# KiCad board LOKUM_PC_ALLWINNER-A64.kicad_pcb (continued)
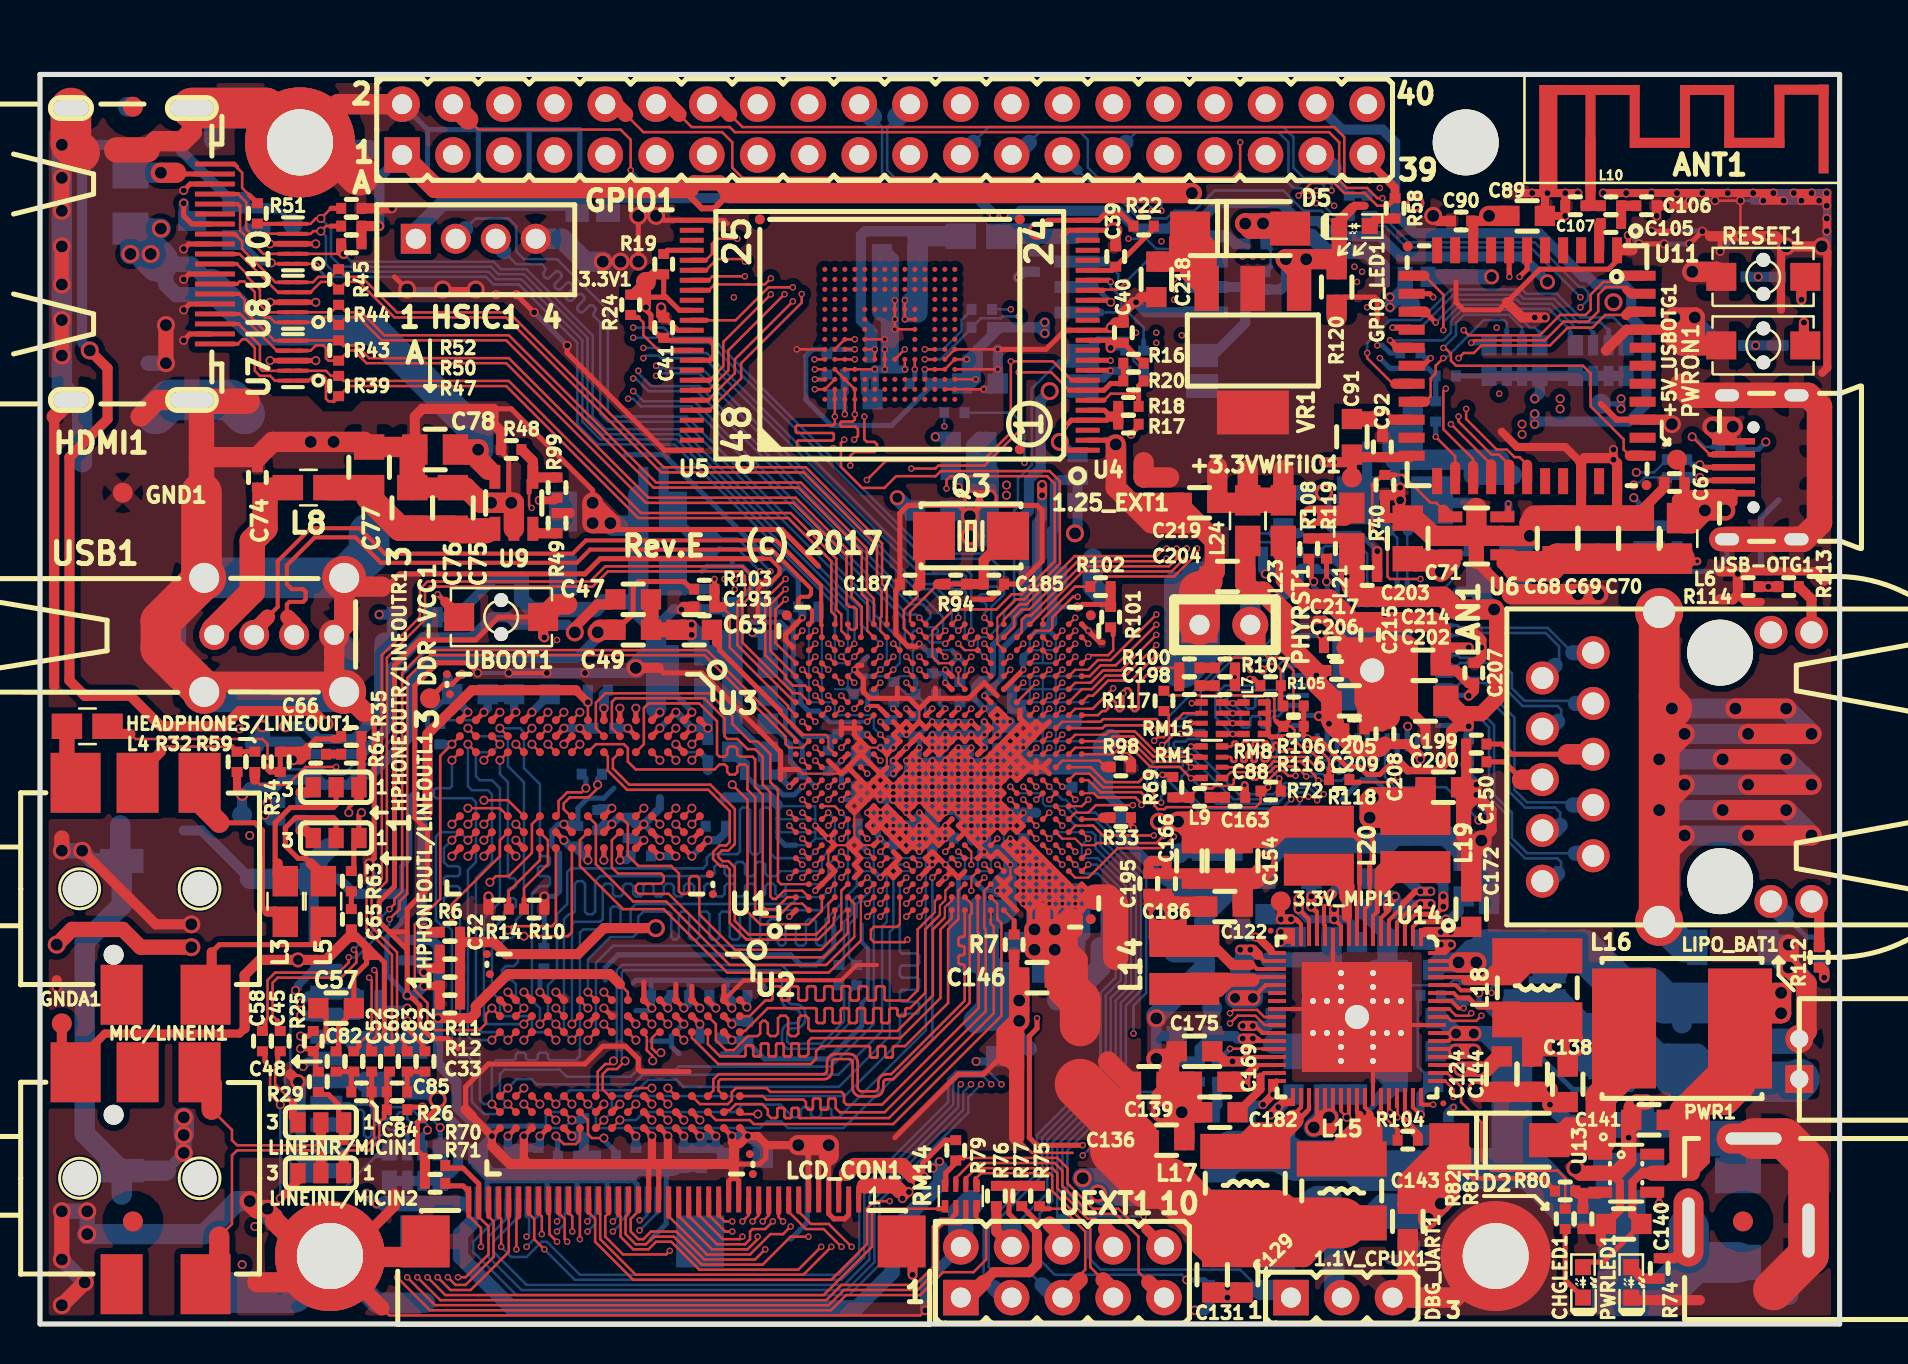
[diagram p0: board, top side]
## Routing (per net, layer and track width the routed paths; a pad name or vN(x,y) marks a point on that pad's centre or on a via; arc(x,y) is an arc through that point) (continued)
/USB&HDMI,WiFi&BT,Ethernet,LCD/BT-PCM-DIN: length 31.3
  Top w0.127: 73.47,42.98 72.96,43.48 72.59,43.48 70.94,45.14 v5(70.94,45.39) ; U1.AC19 52.49,32.4 53.03,32.94 53.8,32.94 v5(55.83,34.98)
  Top w0.508: 73.47,42.86 73.47,42.98 U11.27
  In3.Cu w0.127: v5(70.94,45.39) 69.93,45.39 69.04,46.28 66.12,46.28 60.02,40.18 60.02,39.29 60.02,37.77 58.88,36.63 56.97,36.63 56.21,35.86 56.21,35.36 v5(55.83,34.98)
/USB&HDMI,WiFi&BT,Ethernet,LCD/BT-PCM-DOUT: length 35.2
  Top w0.127: v5(70.31,46.79) 70.18,46.66 70.18,44.76 71.67,43.26 71.67,42.93 ; v5(56.34,38.28) 56.21,38.15 51.89,38.15 49.48,35.74 49.1,35.74 48.72,35.36 48.72,34.87 U1.U22
  Top w0.508: U11.25 71.67,42.93
  In3.Cu w0.127: v5(56.34,38.28) 56.97,37.64 58.37,37.64 59,38.28 59,40.69 65.61,47.3 69.8,47.3 v5(70.31,46.79)
/USB&HDMI,WiFi&BT,Ethernet,LCD/BT-PCM-SYNC: length 33
  Top w0.107: 51.78,32.72 52.43,32.72
  Top w0.127: v5(71.32,45.77) 71.32,45.26 72.85,43.74 73.35,43.74 73.74,43.36 73.99,43.36 74.37,42.98 ; v5(55.83,35.48) 53.55,33.21 52.91,33.21 52.43,32.72 ; 51.78,32.72 U1.AB19
  Top w0.508: U11.28 74.37,42.98
  In3.Cu w0.127: v5(71.32,45.77) 69.93,45.77 69.16,46.53 65.95,46.53 59.77,40.35 59.77,39.42 59.77,37.9 58.75,36.88 56.84,36.88 55.83,35.86 v5(55.83,35.48)
/USB&HDMI,WiFi&BT,Ethernet,LCD/BT-RST-N: length 64.5
  Top w0.127: v5(37.29,36.25) 36.78,35.74 36.78,34.07 U1.A20 ; 79.51,43.43 79.2,43.74 79.2,44.25 77.55,45.9 77.55,47.55 77.16,47.93 70.81,47.93 70.56,48.18 70.56,48.53 70.28,48.81 v5(70.18,48.82)
  Top w0.508: U11.34 79.51,43.43
  In2.Cu w0.127: 49.61,46.8 49.61,46.8 ; 49.61,46.8 48.64,45.83 43.49,45.83 41.52,43.86 41.52,43.83 40.96,43.27 40.26,43.27 39.2,42.21 39.2,38.16 v5(37.29,36.25) ; 49.61,46.8 50.09,47.28 51.02,47.28 51.51,46.79 54.56,46.79 55.45,47.68 68.15,47.68 69.29,48.82 v5(70.18,48.82)
  Bottom w0.127: 74.12,49.58 74.12,49.84 73.48,50.47 71.2,50.47 70.81,50.09 70.81,49.45 v5(70.18,48.82)
  Bottom w0.254: RM12.2.2 74.12,49.58
/USB&HDMI,WiFi&BT,Ethernet,LCD/BT-UART-CTS: length 43.8
  Top w0.127: v5(71.2,49.71) 71.45,49.45 75.01,49.45 76.02,50.47 77.29,50.47 77.55,50.72 77.55,51.49 78.18,52.12 78.89,52.12 79.2,52.43 ; U1.AC17 52.43,31.42 52.66,31.42 53.42,32.18 54.56,32.18 v5(55.83,33.45)
  Top w0.508: U11.44 79.2,52.43 79.27,52.43
  In3.Cu w0.127: v5(55.83,33.45) 55.19,34.09 55.19,36.12 56.46,37.39 58.5,37.39 59.26,38.15 59.26,39.67 59.26,40.56 65.74,47.04 69.42,47.04 70.05,46.41 70.69,46.41 71.32,47.04 71.32,48.56 71.2,48.69 v5(71.2,49.71)
/USB&HDMI,WiFi&BT,Ethernet,LCD/BT-UART-RX: length 43.8
  Top w0.127: 79.32,51.74 79.2,51.87 78.31,51.87 77.93,51.49 77.93,50.64 77.42,50.13 76.19,50.13 75.26,49.2 71.7,49.2 v5(71.58,49.07) ; v5(55.83,33.96) 54.31,32.44 53.29,32.44 52.6,31.75 52.1,31.75 U1.AB17
  Top w0.406: 79.32,51.74 79.53,51.53 U11.43
  In3.Cu w0.127: v5(55.83,33.96) 55.45,34.34 55.45,35.99 56.59,37.13 58.62,37.13 59.51,38.02 59.51,39.78 59.51,40.46 65.84,46.79 69.29,46.79 69.93,46.15 70.81,46.15 71.58,46.91 v5(71.58,49.07)
  Bottom w0.254: v5(71.58,49.07) 72.34,49.07 RM12.4.2
/USB&HDMI,WiFi&BT,Ethernet,LCD/BT-UART-TX: length 40.7
  Top w0.127: 79.32,50.47 78.28,50.47 77.64,49.84 76.4,49.84 75.51,48.95 72.09,48.95 71.7,48.56 71.2,48.56 v5(70.94,48.31) ; v5(56.34,38.79) 56.21,38.79 55.83,38.41 51.74,38.41 49.33,35.99 48.97,35.99 48.2,35.22 U1.U23
  Top w0.508: 79.32,50.47 79.48,50.63 U11.42
  In3.Cu w0.127: v5(56.34,38.79) 57.23,37.9 58.24,37.9 ; 58.24,37.9 58.24,37.9 ; 58.24,37.9 58.75,38.41 58.75,40.82 65.48,47.55 70.18,47.55 v5(70.94,48.31)
/USB&HDMI,WiFi&BT,Ethernet,LCD/BT-WAKE-AP: length 74.2
  Top w0.127: 73.48,52.43 v5(73.48,52.38) ; U1.D19 v5(40.07,32.08)
  Top w0.254: U11.7 73.47,52.74 v5(73.48,52.38)
  In2.Cu w0.127: v5(73.48,52.38) 72.85,53.01 67.64,53.01 65.99,51.36 57.1,51.36 v5(56.72,51.74)
  In3.Cu w0.107: 40.4,32.4 40.93,32.4 41.05,32.53 41.05,34.34
  In3.Cu w0.127: v5(56.72,51.74) 56.34,52.12 56.34,53.39 56.72,53.77 56.72,56.06 56.46,56.31 47.6,56.31 46.83,55.55 34.49,55.55 34.11,55.17 34.11,49.94 34.87,49.17 34.87,45.87 40.72,40.03 40.72,34.67 41.05,34.34 ; v5(40.07,32.08) 40.4,32.4
/USB&HDMI,WiFi&BT,Ethernet,LCD/EPHY-RST#: length 8.3
  Top w0.127: v5(55.72,29.17) 55.9,29.35 56.22,29.35 56.45,29.58 56.45,30.45 56.24,30.66 R117.2 ; U1.Y14 v5(50.47,29.47)
  In2.Cu w0.127: v5(50.47,29.47) 50.9,29.9 54.99,29.9 v5(55.72,29.17)
/USB&HDMI,WiFi&BT,Ethernet,LCD/GCLKIN/LCD_VSYNC: length 66.8
  Top w0.127: 26.44,5.56 26.62,5.39 v5(26.62,4.62) ; v5(55.37,26.29) 55.06,26.6 53.03,26.6 52.43,27.2 U1.AC11
  Top w0.254: LCD_CON1.30 26.44,5.56
  In3.Cu w0.127: v5(26.62,4.62) 26.62,4.85 27.4,5.64 33.35,5.64 34.49,6.78 39.95,6.78 43.64,10.47 47.19,10.47 54.94,18.21 54.94,23.93 55.32,24.31 55.32,25.58 55.54,25.79 55.54,26.12 v5(55.37,26.29)
  Bottom w0.127: C93.2 62.18,38.62 61.7,39.1 60.84,39.1 60.72,38.98 60.72,36.82 61.67,35.86 61.67,34.34 61.04,33.71 59.76,33.71 56.45,30.39 56.45,28.8 55.37,27.72 v5(55.37,26.29)
  Bottom w0.508: R109.1 C93.2
/USB&HDMI,WiFi&BT,Ethernet,LCD/GMDC/LCD-PWM: length 86.6
  Top w0.127: U1.Y13 v5(50.47,28.83) ; v5(19.89,2.34) 20.52,1.7 21.54,1.7 23.44,3.61 23.44,5.39 23.44,5.39
  Top w0.254: 23.44,5.39 LCD_CON1.36
  In2.Cu w0.127: v5(19.89,2.34) 20.27,1.96 29.29,1.96 33.6,6.27 40.97,6.27 44.27,9.58 49.22,9.58 51,11.35 51.64,11.35 53.54,13.26 53.54,15.55 54.81,16.81 54.81,23.93 55.32,24.44 55.32,25.7 55.7,26.08 v5(56.07,26.08) 56.07,26.48 54.94,27.61 52.27,27.61 51.89,27.99 50.88,27.99 50.47,28.39 v5(50.47,28.83)
  Bottom w0.127: v5(56.07,26.08) 56.07,26.39 56.24,26.56 56.24,26.76 55.77,27.23 55.77,27.67 55.96,27.86 57.1,27.86 57.16,27.93 57.16,28.12 57.1,28.18 56.78,28.18 56.7,28.26 56.7,28.44 56.76,28.5 57.1,28.5 57.16,28.56 57.16,28.75 57.1,28.82 56.78,28.82 56.7,28.9 56.7,29.05 56.78,29.13 57.29,29.13 57.42,29.26 58.22,29.26 58.31,29.35 58.31,29.6 58.2,29.71 57.42,29.71 57.23,29.9 56.76,29.9 56.7,29.96 56.7,30.02 ; 56.7,30.02 56.7,30.15 56.83,30.28 57.23,30.28 57.42,30.47 57.86,30.47 58.05,30.66 58.05,31.65 59.85,33.45 61.16,33.45 61.93,34.21 61.93,34.98 62.39,35.44 ; 56.7,30.02 56.7,30.07
  Bottom w0.254: 62.39,35.44 U15.36
/USB&HDMI,WiFi&BT,Ethernet,LCD/GMDIO/LCD_PWR: length 74.6
  Top w0.107: U1.AC10 52.7,26.55
  Top w0.127: 23.94,5.37 23.83,5.26 v5(23.83,3.73) ; 52.7,26.55 52.91,26.34 54.78,26.34 55.09,26.03 v5(55.09,25.96)
  Top w0.254: R108.1 63.58,38.15 63.58,37.26 v3(63.7,37.13) ; LCD_CON1.35 23.94,5.37
  In3.Cu w0.127: v3(63.7,37.13) 63.7,36.75 63.77,36.69 64.34,36.69 64.4,36.63 64.4,36.5 64.34,36.44 63.51,36.44 63.45,36.37 63.45,36.25 63.51,36.18 63.83,36.18 63.89,36.12 63.89,35.99 63.83,35.93 63.51,35.93 63.45,35.86 63.45,35.61 62.64,34.8 62.64,34.53 62.94,34.23 62.94,34.07 62.64,33.77 62.64,33.58 62.94,33.27 62.94,33.12 62.64,32.82 62.64,30.49 59.38,27.24 59.38,26.85 59.26,26.72 58.88,26.72 58.75,26.59 58.75,26.21 58.56,26.02 57.92,26.02 57.86,25.96 57.86,25.83 57.8,25.77 57.54,25.77 57.48,25.83 57.48,25.96 57.42,26.02 57.15,26.02 57.1,25.97 57.1,25.83 57.04,25.77 56.78,25.77 56.72,25.83 56.72,26.11 56.41,26.42 55.72,26.42 55.48,26.65 55.12,26.65 54.96,26.48 54.96,26.09 v5(55.09,25.96) 55.09,24.58 54.69,24.18 54.69,18.32 48.74,12.37 45.92,12.37 44.27,10.72 43.51,10.72 39.83,7.04 34.37,7.04 33.22,5.89 25.22,5.89 23.83,4.5 v5(23.83,3.73)
  Bottom w0.254: v3(63.7,37.13) 63.7,36.88 63.87,36.71 U15.37
/USB&HDMI,WiFi&BT,Ethernet,LCD/GRXCK/LCD_D18: length 61.1
  Top w0.127: v5(40.59,3.86) 39.45,5 38.56,5 37.94,5.62 ; R100.1 55.7,32.82 54.94,32.06 54.94,30.78 54.81,30.66 54.69,30.66 54.56,30.78 54.56,31.67 54.43,31.8 54.31,31.8 54.18,31.67 v5(54.18,31.55) 54.18,30.78 54.05,30.66 53.92,30.66 53.8,30.78 53.8,31.08 53.67,31.21 53.54,31.21 53.42,31.08 53.42,30.78 53.29,30.66 53.12,30.66 52.91,30.45 U1.AC16
  Top w0.254: LCD_CON1.7 37.94,5.62
  Top w0.508: R100.1 C198.1
  In2.Cu w0.127: v5(40.59,3.86) 43.3,3.86 45.2,5.77 53.54,5.77 55.57,7.8 55.96,7.8 58.12,9.96 58.12,18.21 59.89,19.99 59.89,26.13 58.83,27.19 58.83,30.42 57.7,31.55 v5(54.18,31.55)
/USB&HDMI,WiFi&BT,Ethernet,LCD/GRXCTL/LCD_D19: length 60.7
  Top w0.107: 51.78,30.78 52.43,30.78
  Top w0.127: v5(40.08,3.86) 39.19,4.75 38.3,4.75 37.44,5.61 ; 52.43,30.78 52.65,30.78 52.65,30.78 v5(53.67,31.8) ; U1.AB16 51.78,30.78
  Top w0.254: R105.1 60.7,32.27 v5(60.5,32.27) ; LCD_CON1.8 37.44,5.61
  In2.Cu w0.127: v5(40.08,3.86) 40.46,3.48 43.26,3.48 45.29,5.51 53.67,5.51 55.7,7.54 56.08,7.54 58.37,9.83 58.37,18.09 60.15,19.86 60.15,26.21 59.06,27.29 59.06,31.48 59.38,31.8 60.03,31.8 v5(60.5,32.27) 59.82,32.94 58.62,32.94 57.61,31.93 54.03,31.93 53.9,31.8 v5(53.67,31.8)
/USB&HDMI,WiFi&BT,Ethernet,LCD/GRXD0/LCD_D15: length 57.9
  Top w0.127: v5(37.54,4.88) 37.16,4.5 36.53,4.5 35.51,3.48 33.35,3.48 31.44,5.39 ; U1.Y16 v5(50.47,30.78)
  Top w0.254: RM15.1.2 57.05,29.51 v5(57.04,29.52) ; 31.44,5.39 LCD_CON1.20
  In2.Cu w0.127: v5(50.47,30.78) 51.1,30.15 56.41,30.15 v5(57.04,29.52) 57.23,29.33 57.23,27.02 58.62,25.62 58.62,20.62 56.84,18.85 56.84,12.37 56.59,12.12 54.31,12.12 52.27,10.08 51.64,10.08 49.86,8.31 45.8,8.31 42.75,5.26 37.92,5.26 v5(37.54,4.88)
/USB&HDMI,WiFi&BT,Ethernet,LCD/GRXD1/LCD_D14: length 59.4
  Top w0.127: 31.94,5.4 33.6,3.73 35.38,3.73 35.89,4.24 v5(35.89,4.37) ; U1.W16 v5(49.82,30.78)
  Top w0.203: RM15.2.2 57.57,30.05 57.54,30.08 v5(57.54,30.09)
  Top w0.254: 31.94,5.4 LCD_CON1.19
  In2.Cu w0.107: 50.15,31.1 51.45,31.1
  In2.Cu w0.127: v5(49.82,30.78) 50.15,31.1 ; 51.45,31.1 51.89,30.66 56.97,30.66 v5(57.54,30.09) 58.13,29.5 58.13,26.9 59.13,25.9 59.13,20.37 57.35,18.59 57.35,11.99 56.97,11.61 54.56,11.61 52.53,9.58 51.89,9.58 50.11,7.8 46.05,7.8 43,4.75 38.3,4.75 37.76,4.21 36.91,4.21 36.74,4.37 v5(35.89,4.37)
/USB&HDMI,WiFi&BT,Ethernet,LCD/GRXD2/LCD_D13: length 54.4
  Top w0.127: 32.44,5.41 33.86,3.99 35.25,3.99 35.51,4.24 35.51,4.62 35.64,4.75 36.27,4.75 v5(36.65,5.13) ; v5(56.12,28.96) 56.16,28.96 56.69,29.49 56.69,30.05 57.18,30.55 RM15.3.2 ; U1.AA13 v5(51.12,28.83)
  Top w0.254: LCD_CON1.18 32.44,5.41
  In2.Cu w0.127: v5(51.12,28.83) 51.94,29.64 54.63,29.64 55.45,28.83 55.98,28.83 v5(56.12,28.96) 56.46,28.61 56.46,26.79 57.86,25.39 57.86,24.56 55.32,22.02 55.32,16.56 54.05,15.29 54.05,13 51.89,10.85 51.26,10.85 49.48,9.07 44.53,9.07 41.22,5.77 37.29,5.77 v5(36.65,5.13)
/USB&HDMI,WiFi&BT,Ethernet,LCD/GRXD3/LCD_D12: length 61.8
  Top w0.127: 58.08,31.1 RM15.4.2 58.05,31.05 v5(57.6,31.05) ; U1.V17 v5(49.82,32.08) ; 32.94,5.45 34.15,4.24 35,4.24 v5(35.13,4.37)
  Top w0.254: LCD_CON1.17 32.94,5.45
  In2.Cu w0.107: 50.15,31.75 51.78,31.75
  In2.Cu w0.127: v5(49.82,32.08) 50.15,31.75 ; 51.76,31.75 52.35,31.17 57.48,31.17 v5(57.6,31.05) 58.59,30.06 58.59,27.1 59.64,26.05 59.64,20.12 57.86,18.34 57.86,10.08 55.83,8.05 51.13,8.05 50.37,7.29 46.3,7.29 43.26,4.24 38.81,4.24 38.43,3.86 36.78,3.86 36.53,4.11 36.14,4.11 36.02,3.99 35.51,3.99 v5(35.13,4.37)
/USB&HDMI,WiFi&BT,Ethernet,LCD/GTXCK/LCD_DE: length 64.6
  Top w0.107: 55.19,27.36 55.31,27.47 v5(56.13,27.47)
  Top w0.127: 25.44,5.55 25.48,5.51 25.48,4.5 v5(25.86,4.11) ; 55.19,27.36 54.94,27.1 53.29,27.1 52.54,27.85 U1.AB12
  Top w0.254: R69.1 56.54,27.47 v5(56.13,27.47) ; LCD_CON1.32 25.44,5.55
  In3.Cu w0.127: v5(25.86,4.11) 26.37,3.61 30.68,3.61 31.95,4.88 33.73,4.88 34.87,6.02 40.33,6.02 44.02,9.7 47.51,9.7 59.7,21.89 61.67,21.89 63.01,23.23 v5(63.01,26.25)
  Bottom w0.127: v5(56.13,27.47) 58.05,25.55 62.54,25.55 63.01,26.02 v5(63.01,26.25)
/USB&HDMI,WiFi&BT,Ethernet,LCD/GTXCTL/LCD_HSYNC: length 59.3
  Top w0.107: 51.78,27.53 52.4,27.53
  Top w0.127: 26.94,5.57 27,5.51 v5(27,4.24) ; 61.04,26.31 61.04,26.09 60.8,25.85 56.33,25.85 56.23,25.75 55.91,25.75 55.74,25.92 55.74,26.5 55.38,26.85 53.16,26.85 52.49,27.53 52.4,27.53 ; 61.04,26.31 R72.1 ; 61.04,26.31 61.04,26.34 ; 51.78,27.53 U1.AB11
  Top w0.254: R72.1 61.23,26.66 v5(61.42,26.85) ; LCD_CON1.29 26.94,5.57
  In3.Cu w0.127: v5(61.42,26.85) 55.19,20.63 55.19,18.1 47.3,10.21 43.76,10.21 40.08,6.53 34.62,6.53 33.48,5.39 31.44,5.39 30.3,4.24 v5(27,4.24)
/USB&HDMI,WiFi&BT,Ethernet,LCD/GTXD0/LCD_CLK: length 63.2
  Top w0.107: 51.78,28.83 52.96,28.83
  Top w0.127: 25.94,5.56 26.24,5.26 26.24,4.24 v5(26.36,4.11) ; 52.96,28.83 53.62,28.83 53.92,29.13 54.6,29.13 55.62,28.12 57.29,28.12 v5(57.56,27.85) ; U1.AB13 51.78,28.83
  Top w0.254: RM1.2.2 v5(57.56,27.85) ; 25.94,5.56 LCD_CON1.31
  In3.Cu w0.127: v5(62.57,26.25) 59.6,23.27 59.6,22.15 47.41,9.96 43.89,9.96 40.21,6.27 34.75,6.27 33.61,5.13 31.7,5.13 30.43,3.86 26.62,3.86 v5(26.36,4.11)
  Bottom w0.127: v5(62.57,26.25) 62.11,25.78 58.22,25.78 57.1,26.9 57.1,27.39 v5(57.56,27.85)
/USB&HDMI,WiFi&BT,Ethernet,LCD/GTXD1/LCD_D23: length 53.7
  Top w0.127: 35.44,5.57 35.44,5.44 v5(35.13,5.13) ; U1.AC13 53.67,28.5 54.05,28.88 54.52,28.88 55.54,27.86 57,27.86 v5(57.56,27.3)
  Top w0.254: LCD_CON1.12 35.44,5.57 ; RM1.1.2 58.08,27.3 v5(57.56,27.3)
  In3.Cu w0.127: v5(63.43,26.37) 63.43,23.28 61.8,21.64 59.81,21.64 47.62,9.45 44.14,9.45 40.46,5.77 35.76,5.77 v5(35.13,5.13)
  Bottom w0.127: v5(57.56,27.3) 58.84,26.02 61.87,26.02 62.44,26.59 63.22,26.59 v5(63.43,26.37)
/USB&HDMI,WiFi&BT,Ethernet,LCD/GTXD2/LCD_D22: length 54.3
  Top w0.127: 35.94,5.56 35.94,5.44 v5(35.64,5.13) ; U1.AC14 53.42,29.15 53.65,29.39 54.68,29.39 55.69,28.37 v5(57.56,28.37)
  Top w0.254: RM1.3.2 58.07,28.37 v5(57.56,28.37) ; 35.94,5.56 LCD_CON1.11
  In3.Cu w0.127: 61.85,21.39 61.93,21.39 ; 61.85,21.39 61.94,21.39 63.87,23.32 v5(63.87,26.2) ; 61.85,21.39 59.91,21.39 47.72,9.19 44.27,9.19 40.59,5.51 36.02,5.51 v5(35.64,5.13)
  Bottom w0.127: v5(63.87,26.2) 63.87,26.43 63.47,26.82 62.35,26.82 61.77,26.25 59.68,26.25 v5(57.56,28.37)
/USB&HDMI,WiFi&BT,Ethernet,LCD/GTXD3/LCD_D21: length 56
  Top w0.107: 51.78,29.47 53.07,29.47
  Top w0.127: 36.44,5.56 36.44,5.43 v5(36.14,5.13) ; 53.07,29.47 53.29,29.47 53.46,29.64 54.75,29.64 55.77,28.63 57.3,28.63 v5(57.56,28.89) ; 51.78,29.47 U1.AB14
  Top w0.254: RM1.4.2 v5(57.56,28.89) ; LCD_CON1.10 36.44,5.56
  In3.Cu w0.127: v5(36.14,5.13) 36.78,4.5 37.67,4.5 38.43,5.26 40.72,5.26 44.4,8.94 47.83,8.94 60.02,21.13 62.05,21.13 64.2,23.28 v5(64.2,26.5)
  Bottom w0.127: v5(57.56,28.89) 59.95,26.5 61.69,26.5 62.25,27.06 63.57,27.06 63.96,26.66 64.04,26.66 v5(64.2,26.5)
/USB&HDMI,WiFi&BT,Ethernet,LCD/HCEC: length 46
  Top w0.127: v3(13.79,52.88) 13.65,53.03 U10.1 ; v3(11.57,53.07) 11.62,53.03 U10.10 ; U1.F21 v5(40.72,33.38)
  Top w0.203: U10.1 U10.10
  Bottom w0.107: 40.4,33.05 39.88,33.05 39.75,33.17 39.75,34.35
  Bottom w0.127: v3(13.79,52.88) 14.3,52.37 22.3,52.37 22.68,51.99 23.95,51.99 26.87,49.07 26.87,45.01 27.89,43.99 31.73,43.99 39.75,35.97 39.75,34.35 ; v5(40.72,33.38) 40.4,33.05
  Bottom w0.254: FET1.2 10.14,53.9 10.3,53.9 11.12,53.07 v3(11.57,53.07)
  Bottom w0.508: R46.2 10.39,54.79 FET1.2
/USB&HDMI,WiFi&BT,Ethernet,LCD/HHPD: length 44.7
  Top w0.127: 14.55,55.8 v3(14.05,55.3) 13.79,55.3 13.52,55.03 U10.5 ; U1.E21 v5(40.72,34.03)
  Top w0.203: R51.1 10.89,55.03 U10.6 U10.5
  Top w0.254: R52.1 14.55,55.8
  Bottom w0.127: 22.56,52.88 22.55,52.88 ; 22.56,52.88 22.94,52.5 24.21,52.5 27.38,49.33 27.38,45.26 28.14,44.5 31.95,44.5 40.72,35.73 v5(40.72,34.03) ; 22.56,52.88 15.06,52.88 15.06,52.88 14.55,53.39 14.55,54.79 v3(14.05,55.3)
/USB&HDMI,WiFi&BT,Ethernet,LCD/HSCL: length 47.2
  Top w0.127: v3(15.19,53.52) 15.18,53.53 U10.2 ; U10.9 11.17,53.53 10.01,54.69 10.01,55.91 9.98,55.93 ; U1.G21 v5(42.03,34.03)
  Top w0.203: 9.98,55.93 9.89,56.02 8.55,56.02 ; U10.2 U10.9
  Top w0.508: R47.2 15.06,53.65 v3(15.19,53.52)
  Bottom w0.127: v5(42.03,34.03) 41.05,35 41.05,35.78 32.08,44.76 28.27,44.76 27.64,45.39 27.64,49.45 24.33,52.76 23.06,52.76 22.68,53.14 15.57,53.14 v3(15.19,53.52)
/USB&HDMI,WiFi&BT,Ethernet,LCD/HSDA: length 48.6
  Top w0.127: 9.9,56.52 10.31,56.11 10.31,54.76 10.54,54.53 12.2,54.53 U10.7 ; 14.55,54.91 14.3,54.91 v3(14.05,54.66) 13.67,54.66 13.53,54.53 U10.4 ; U1.E20 v5(40.07,33.38)
  Top w0.203: 8.55,56.52 9.9,56.52 ; U10.4 U10.7
  Top w0.254: R50.2 14.55,54.91
  Bottom w0.107: 40.4,33.7 40.4,34.35
  Bottom w0.127: 40.4,35.69 40.4,35.68 ; 40.4,35.69 31.84,44.25 28.02,44.25 27.13,45.14 27.13,49.2 24.08,52.25 22.81,52.25 22.43,52.63 14.68,52.63 14.3,53.01 14.3,54.41 v3(14.05,54.66) ; 40.4,35.69 40.4,34.35 ; v5(40.07,33.38) 40.4,33.7
/USB&HDMI,WiFi&BT,Ethernet,LCD/HTX0N: length 43.5
  Top w0.127: 9.85,53.02 10.36,52.5 10.36,52.38 11,51.74 11,50.98 11.38,50.6 12.2,50.6 U8.9 ; U1.G23 41.7,36.28 41.35,36.63 41.35,38.79 38.05,42.09 30.81,42.09 23.44,49.45 17.22,49.45 16.08,50.6 15.32,50.6 R44.1 14.56,50.6 U8.2
  Top w0.203: U8.2 U8.9 ; 8.55,53.02 9.85,53.02
/USB&HDMI,WiFi&BT,Ethernet,LCD/HTX0P: length 43.5
  Top w0.107: 41.38,34.67 41.38,35.33
  Top w0.127: 41.38,35.33 41.38,36.22 41.1,36.5 41.1,38.66 37.92,41.83 30.68,41.83 23.32,49.2 17.09,49.2 15.95,50.34 15.32,50.34 R44.2 14.55,50.34 13.79,50.34 13.55,50.1 U8.1 ; U1.G22 41.38,34.67 ; 9.86,52.02 9.98,52.15 10.21,52.15 10.74,51.61 10.74,50.85 11.25,50.34 11.51,50.34 11.74,50.1 U8.10
  Top w0.203: HDMI1.7 9.86,52.02 ; U8.1 U8.10
/USB&HDMI,WiFi&BT,Ethernet,LCD/HTX1N: length 42.2
  Top w0.127: R43.2 13.1,49.2 U7.5 ; 9.95,51.52 10.24,51.23 10.24,50.67 11.73,49.18 U7.6 ; U1.F22 41.1,34.4 41.1,35.86 40.59,36.37 40.59,38.53 37.79,41.33 30.43,41.33 23.44,48.31 16.46,48.31 15.82,48.95 15.19,48.95
  Top w0.203: 15.19,48.95 R43.2 ; U7.5 U7.6 ; 9.95,51.52 8.55,51.52
/USB&HDMI,WiFi&BT,Ethernet,LCD/HTX1P: length 42.1
  Top w0.127: 40.45,34.96 40.45,34.84 40.56,34.72 40.74,34.72 40.84,34.82 40.84,35.74 40.72,35.86 40.46,35.86 40.34,35.99 40.34,38.41 37.67,41.07 30.3,41.07 23.32,48.06 16.33,48.06 15.7,48.69 15.44,48.69 R43.1 14.43,48.18 14.3,48.31 14.3,48.82 14.17,48.95 13.79,48.95 13.53,48.68 U7.4 ; U1.E23 40.44,34.96 ; 11.84,48.68 10.01,50.52 9.93,50.52
  Top w0.203: 11.84,48.68 U7.7 U7.4 ; HDMI1.4 9.93,50.52
/USB&HDMI,WiFi&BT,Ethernet,LCD/HTX2N: length 41
  Top w0.107: 40.07,34.67 40.07,35.33
  Top w0.127: U1.E22 40.07,34.67 ; U7.9 12.2,47.68 11.12,47.68 11,47.8 11,48.95 9.93,50.02 ; 40.07,35.33 40.07,35.49 39.83,35.74 39.83,38.28 37.54,40.56 30.05,40.56 23.44,47.17 15.19,47.17 R39.1 14.55,47.42 14.3,47.68 13.09,47.68 U7.2
  Top w0.203: 8.55,50.02 9.93,50.02 ; U7.2 U7.9
/USB&HDMI,WiFi&BT,Ethernet,LCD/HTX2P: length 40.9
  Top w0.127: 13.43,47.18 13.67,47.42 14.17,47.42 14.3,47.3 14.3,46.28 14.43,46.15 14.68,46.15 ; U1.D23 39.8,35.05 39.8,35.4 39.57,35.63 39.57,38.15 37.41,40.31 29.92,40.31 23.32,46.91 15.44,46.91 R39.2 ; U7.10 11.74,47.18 11.51,47.42 11,47.42 10.74,47.68 10.74,48.82 10.31,49.25 10.12,49.25 9.88,49.02
  Top w0.203: HDMI1.1 9.88,49.02 ; U7.10 U7.1 13.43,47.18 ; 14.68,46.15 R39.2
/USB&HDMI,WiFi&BT,Ethernet,LCD/HTXCN: length 44.9
  Top w0.127: 42.35,35.36 42.35,35.33 ; 42.35,35.36 U1.H23 ; 42.35,35.36 42.35,36.77 42.11,37.01 42.11,39.04 38.3,42.85 31.19,42.85 23.44,50.6 17.86,50.6 16.08,52.38 15.32,52.38 R45.2 14.55,52.38 13.92,52.38 13.65,52.1 U8.5 ; 9.86,54.41 10.11,54.15 10.11,53.77 11.78,52.1 U8.6
  Top w0.203: 8.55,54.52 9.74,54.52 9.86,54.41 ; U8.5 U8.6
/USB&HDMI,WiFi&BT,Ethernet,LCD/HTXCP: length 44.9
  Top w0.107: 42.03,34.67 42.03,35.33
  Top w0.127: 13.53,51.6 14.05,52.12 14.55,52.12 R45.1 15.32,52.12 15.95,52.12 17.73,50.34 23.32,50.34 31.06,42.6 38.18,42.6 41.86,38.91 41.86,36.88 42.09,36.65 42.09,35.39 42.03,35.33 ; U8.7 11.89,51.6 9.98,53.52 9.86,53.52 ; U1.H22 42.03,34.67
  Top w0.203: 8.55,53.52 9.86,53.52 ; U8.7 U8.4 13.53,51.6
/USB&HDMI,WiFi&BT,Ethernet,LCD/LCD_D2: length 76.4
  Top w0.127: v5(36.27,3.73) 35.76,3.23 33.22,3.23 31.83,4.62 30.56,4.62 30.18,4.24 29.92,4.24 29.54,4.62 29.54,5.26 29.94,5.66 ; v5(51.12,33.38) U1.AA20
  Top w0.254: 29.94,5.66 LCD_CON1.23
  In2.Cu w0.107: 51.45,33.7 52.75,33.7
  In2.Cu w0.127: v5(36.27,3.73) 37.29,2.72 42.62,2.72 43.38,1.96 43.89,1.96 44.65,2.72 54.43,2.72 54.81,3.1 54.81,5.51 56.08,6.78 56.44,6.78 59.13,9.47 59.13,16.6 60.48,17.96 60.91,17.96 61.54,18.59 61.54,22.15 61.93,22.53 61.93,23.67 60.91,24.69 60.91,26.55 60.82,26.64 60.82,30.95 62.05,32.18 62.05,33.18 61.52,33.71 58.39,33.71 57.38,32.69 53.76,32.69 52.75,33.7 ; v5(51.12,33.38) 51.45,33.7
/USB&HDMI,WiFi&BT,Ethernet,LCD/LCD_D3: length 62.2
  Top w0.127: v5(51.12,31.42) U1.AA17 ; v5(38.43,4.37) 37.54,4.37 36.14,2.97 33.1,2.97 31.7,4.37 30.68,4.37 30.3,3.99 29.79,3.99 29.29,4.5 29.29,5.39 29.44,5.54 LCD_CON1.24
  In2.Cu w0.127: v5(38.43,4.37) 38.56,4.5 43.13,4.5 46.18,7.54 50.24,7.54 52.02,9.32 52.65,9.32 54.69,11.35 57.1,11.35 57.61,11.86 57.61,18.47 59.38,20.24 59.38,25.98 58.36,27 58.36,29.79 57.24,30.91 52.15,30.91 51.64,31.42 v5(51.12,31.42)
/USB&HDMI,WiFi&BT,Ethernet,LCD/LCD_D4: length 75.2
  Top w0.127: v5(39.06,3.86) 37.92,2.72 32.97,2.72 31.57,4.11 30.81,4.11 30.43,3.73 29.67,3.73 29.03,4.37 29.03,5.39 28.94,5.48 ; v5(49.82,32.72) U1.W19
  Top w0.254: 28.94,5.48 LCD_CON1.25
  In2.Cu w0.107: 50.15,33.05 51.45,33.05
  In2.Cu w0.127: 61.39,33.45 61.4,33.45 ; 61.39,33.45 58.47,33.45 57.45,32.44 52.06,32.44 51.45,33.05 ; 61.39,33.45 61.8,33.05 61.8,32.31 60.58,31.09 60.58,26.53 60.66,26.45 60.66,22.86 61.29,22.23 61.29,18.72 60.78,18.21 60.38,18.21 58.88,16.71 58.88,9.58 56.34,7.04 55.96,7.04 53.92,5 45.54,5 43.51,2.97 39.95,2.97 v5(39.06,3.86) ; v5(49.82,32.72) 50.15,33.05
/USB&HDMI,WiFi&BT,Ethernet,LCD/LCD_D5: length 55.3
  Top w0.127: v5(31.5,3.66) 31.32,3.48 29.16,3.48 28.27,4.37 28.27,5.39 28.44,5.56 ; U1.AA14 v5(51.12,29.47)
  Top w0.254: LCD_CON1.26 28.44,5.56
  In2.Cu w0.107: U1.AA14 50.8,28.5
  In2.Cu w0.127: v5(51.12,29.47) U1.AA14 ; 50.8,28.5 51.06,28.25 52.02,28.25 52.4,27.86 55.06,27.86 57.61,25.31 57.61,24.69 55.07,22.15 55.07,16.69 53.8,15.42 53.8,13.13 51.76,11.1 51.13,11.1 49.35,9.32 44.4,9.32 41.1,6.02 33.86,6.02 v5(31.5,3.66)
/USB&HDMI,WiFi&BT,Ethernet,LCD/LCD_D6: length 76.5
  Top w0.127: 27.94,5.59 28.02,5.51 28.02,4.24 29.79,2.46 38.18,2.46 v5(39.57,3.86) ; v5(49.18,32.08) U1.V18
  Top w0.254: LCD_CON1.27 27.94,5.59
  In2.Cu w0.107: 49.5,32.4 51.45,32.4
  In2.Cu w0.127: v5(39.57,3.86) 40.21,3.23 43.38,3.23 45.42,5.26 53.8,5.26 55.83,7.29 56.21,7.29 58.62,9.7 58.62,17.96 60.4,19.74 60.4,26.28 59.3,27.39 59.3,31.33 59.51,31.55 60.66,31.55 61.54,32.44 61.54,32.94 61.29,33.2 58.55,33.2 57.53,32.18 51.67,32.18 51.45,32.4 ; v5(49.18,32.08) 49.5,32.4
/USB&HDMI,WiFi&BT,Ethernet,LCD/LCD_D7: length 62.1
  Top w0.107: 51.12,30.12 52.43,30.12
  Top w0.127: 52.43,30.12 53.03,30.12 53.16,30.25 55.83,30.25 56.12,29.97 v5(56.12,29.74) ; U1.AA15 51.12,30.12 ; 27.44,5.58 27.76,5.26 27.76,4.11 29.67,2.21 39.57,2.21 41.35,3.99 41.35,5.77 41.73,6.15 v5(42.49,6.15)
  Top w0.254: LCD_CON1.28 27.44,5.58
  In2.Cu w0.127: v5(56.12,29.74) 56.35,29.74 56.97,29.11 56.97,26.94 58.37,25.54 58.37,20.75 56.59,18.97 56.59,12.5 56.46,12.37 54.18,12.37 52.15,10.34 51.51,10.34 49.73,8.56 44.78,8.56 42.66,6.44 42.66,6.31 v5(42.49,6.15)
/USB&HDMI,WiFi&BT,Ethernet,LCD/LCD_D10: length 42
  Top w0.127: 33.94,5.43 34.24,5.13 v5(34.62,5.13) ; U1.Y11 v5(50.47,26.88)
  Top w0.254: 33.94,5.43 LCD_CON1.15
  In3.Cu w0.127: v5(34.62,5.13) 35,4.75 36.14,4.75 36.65,4.24 37.79,4.24 38.56,5 40.84,5 44.53,8.69 47.95,8.69 53.8,14.53 v5(54.69,14.53)
  Bottom w0.107: 51.12,26.22 51.29,26.22 51.94,25.58 52.43,25.58
  Bottom w0.127: v5(50.47,26.88) 51.12,26.22 ; v5(54.69,14.53) 54.69,15.93 55.32,16.56 55.32,22.4 53.54,24.18 53.54,24.82 52.78,25.58 52.43,25.58
/USB&HDMI,WiFi&BT,Ethernet,LCD/LCD_D11: length 54.2
  Top w0.127: U1.AA16 v5(51.12,30.78) ; v5(34.62,4.62) 34.27,4.62 33.44,5.45
  Top w0.254: LCD_CON1.16 33.44,5.45
  In2.Cu w0.127: v5(34.62,4.62) 34.78,4.79 36.74,4.79 37.03,4.5 37.67,4.5 38.18,5 42.88,5 45.92,8.05 49.99,8.05 51.76,9.83 52.4,9.83 54.43,11.86 56.84,11.86 57.1,12.12 57.1,18.72 58.88,20.5 58.88,25.7 57.89,26.68 57.89,29.15 56.64,30.4 51.5,30.4 v5(51.12,30.78)
/USB&HDMI,WiFi&BT,Ethernet,LCD/LCD_D20: length 45.6
  Top w0.127: v5(37.16,5.13) 36.94,5.35 36.94,5.55 ; v5(55.68,29.78) 55.52,29.94 53.27,29.94 53.13,29.8 U1.AB15
  Top w0.254: LCD_CON1.9 36.94,5.55
  In2.Cu w0.127: v5(55.68,29.78) 55.68,29.68 56.04,29.32 56.41,29.32 56.72,29.01 56.72,26.86 58.12,25.47 58.12,20.86 55.57,18.32 55.57,16.43 54.31,15.16 54.31,12.88 52.02,10.59 51.38,10.59 49.61,8.81 44.65,8.81 41.35,5.51 37.54,5.51 v5(37.16,5.13)
/USB&HDMI,WiFi&BT,Ethernet,LCD/MDI[0]+: length 8
  Bottom w0.127: 76.66,33.58 76.64,33.58 75.4,34.82 71.02,34.82 70.9,34.94 U15.2
  Bottom w0.762: LAN1.1 76.66,33.58
/USB&HDMI,WiFi&BT,Ethernet,LCD/MDI[0]-: length 8
  Bottom w0.127: U15.3 70.9,34.44 71.02,34.56 75.29,34.56 75.97,33.88 75.97,33.15 75.77,32.94
  Bottom w0.762: LAN1.2 75.77,32.94
/USB&HDMI,WiFi&BT,Ethernet,LCD/MDI[1]+: length 8.9
  Bottom w0.127: 76.78,31.04 76.66,31.17 74.24,31.17 73.61,31.8 73.61,32.54 72.84,33.32 71.02,33.32 70.9,33.44 U15.5
  Bottom w0.762: 76.78,31.04 LAN1.3
/USB&HDMI,WiFi&BT,Ethernet,LCD/MDI[1]-: length 8.9
  Bottom w0.127: 75.9,30.15 76.07,30.33 76.07,30.73 75.9,30.91 74.14,30.91 73.35,31.7 73.35,32.44 72.73,33.06 71.02,33.06 70.9,32.94 U15.6
  Bottom w0.762: 75.9,30.15 75.51,29.77 LAN1.4
/USB&HDMI,WiFi&BT,Ethernet,LCD/MDI[2]+: length 12.6
  Bottom w0.127: 76.66,25.96 76.53,26.09 74.37,26.09 73.74,26.72 73.74,30.33 72.72,31.35 72.72,31.98 72.38,32.32 71.02,32.32 70.9,32.44 U15.7